# Altium PCB PCB2.PcbDoc (part 6 of 9)
Units mil, origin at the board's own origin, x right, y up, seen from the top; angles counter-clockwise.
Board outline 7580 x 7350 mil, 6 copper layers (Signal 1, Ground 1, 2V5 and 0V6, n2V5 and n0V6, Ground 2, Signal 2), stack 52.268 mil thick; 572 components, 533 nets, 2081 pads, 679 vias.
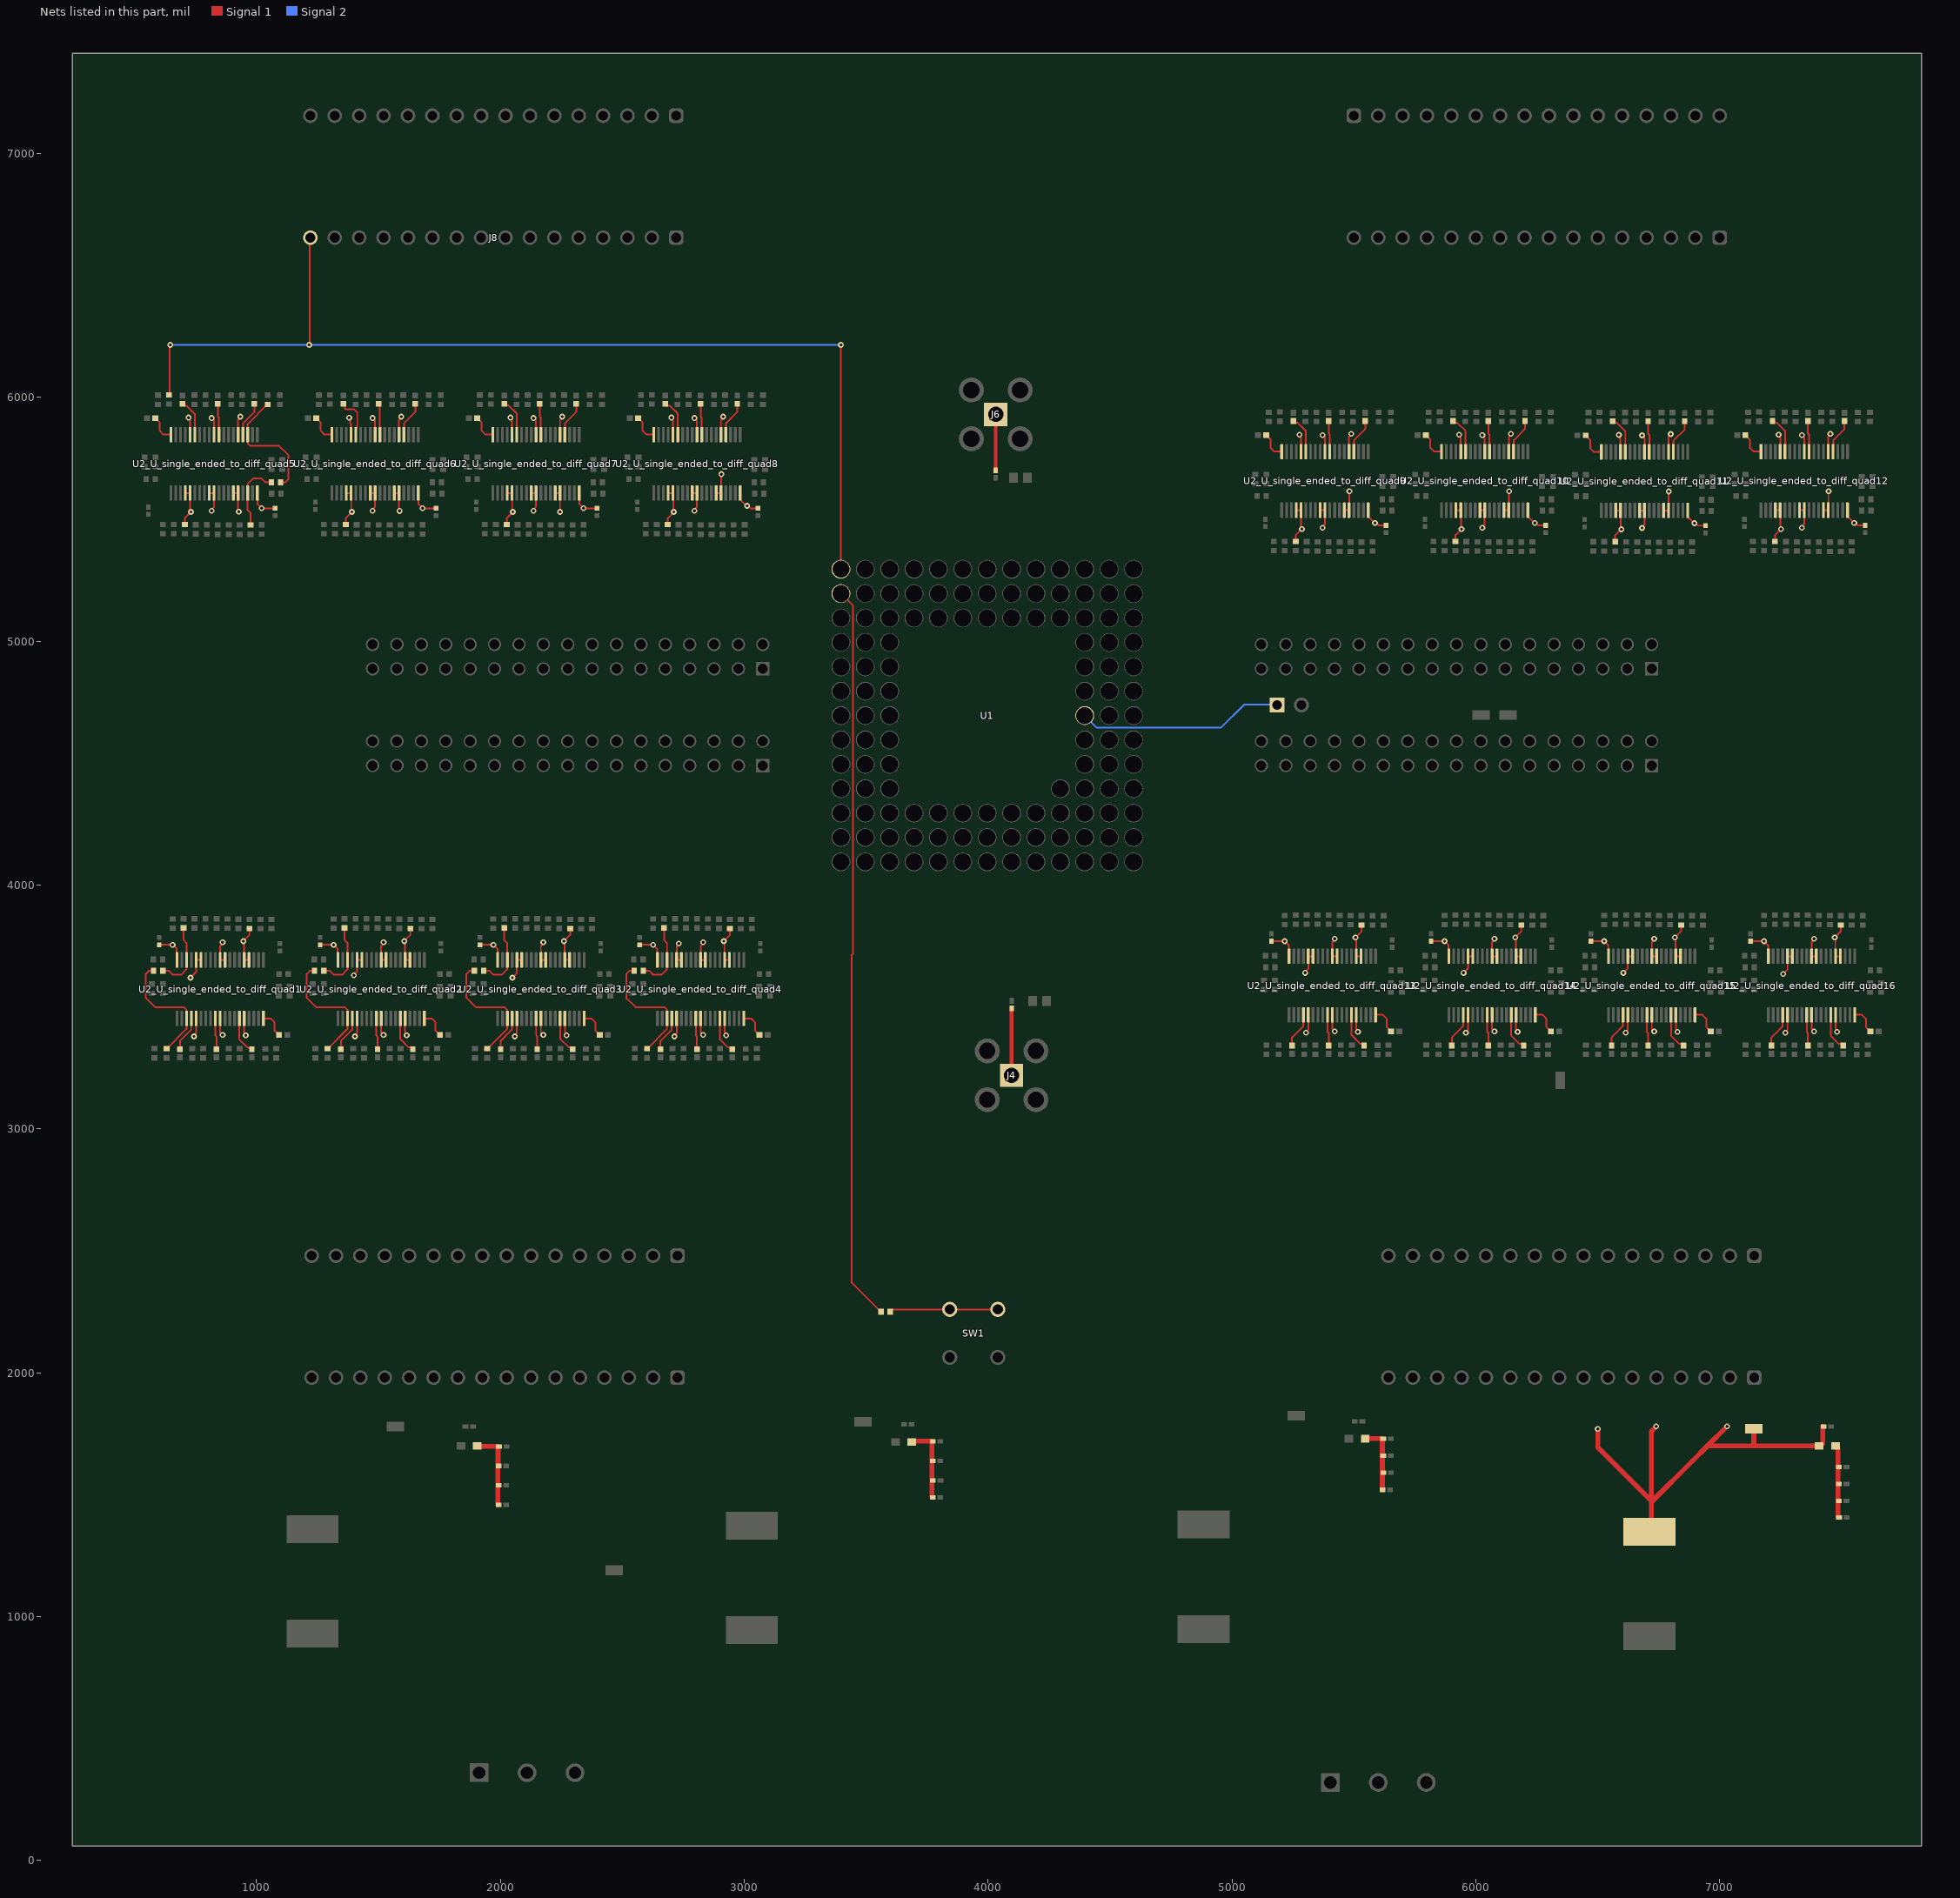
[diagram p10: the nets of this part, all layers, seen from the top]

## Via types
v1: diameter 24, hole 12, Signal 1 to Signal 2, tented both sides, 679 vias

## Nets (pads, with @x,y where several pads share a name; then routed paths per layer and width w, separated by ;. In a path a pad name is that pad's centre, name@x,y a point inside that pad or via, vN(x,y) a via of type N, cw(c..) or ccw(c..) an arc to the next point about the centre after c; other vN are vias at no path point) (continued)
n2V5: C13.2 C29_U_single_ended_to_diff_quad1.1 C29_U_single_ended_to_diff_quad2.1 C29_U_single_ended_to_diff_quad3.1 C29_U_single_ended_to_diff_quad4.1 C29_U_single_ended_to_diff_quad5.1 C29_U_single_ended_to_diff_quad6.1 C29_U_single_ended_to_diff_quad7.1 C29_U_single_ended_to_diff_quad8.1 C29_U_single_ended_to_diff_quad9.1 C29_U_single_ended_to_diff_quad10.1 C29_U_single_ended_to_diff_quad11.1 C29_U_single_ended_to_diff_quad12.1 C29_U_single_ended_to_diff_quad13.1 C29_U_single_ended_to_diff_quad14.1 C29_U_single_ended_to_diff_quad15.1 C29_U_single_ended_to_diff_quad16.1 C30_U_single_ended_to_diff_quad1.1 C30_U_single_ended_to_diff_quad2.1 C30_U_single_ended_to_diff_quad3.1 C30_U_single_ended_to_diff_quad4.1 C30_U_single_ended_to_diff_quad5.1 C30_U_single_ended_to_diff_quad6.1 C30_U_single_ended_to_diff_quad7.1 C30_U_single_ended_to_diff_quad8.1 C30_U_single_ended_to_diff_quad9.1 C30_U_single_ended_to_diff_quad10.1 C30_U_single_ended_to_diff_quad11.1 C30_U_single_ended_to_diff_quad12.1 C30_U_single_ended_to_diff_quad13.1 C30_U_single_ended_to_diff_quad14.1 C30_U_single_ended_to_diff_quad15.1 C30_U_single_ended_to_diff_quad16.1 L3.2 R6.2 TP9.1 U2_U_single_ended_to_diff_quad1.5 U2_U_single_ended_to_diff_quad1.10 U2_U_single_ended_to_diff_quad1.15 U2_U_single_ended_to_diff_quad1.23 U2_U_single_ended_to_diff_quad1.24 U2_U_single_ended_to_diff_quad1.28 U2_U_single_ended_to_diff_quad1.29 U2_U_single_ended_to_diff_quad1.33 U2_U_single_ended_to_diff_quad1.34 U2_U_single_ended_to_diff_quad1.38 U2_U_single_ended_to_diff_quad2.5 U2_U_single_ended_to_diff_quad2.10 U2_U_single_ended_to_diff_quad2.15 U2_U_single_ended_to_diff_quad2.23 U2_U_single_ended_to_diff_quad2.24 U2_U_single_ended_to_diff_quad2.28 U2_U_single_ended_to_diff_quad2.29 U2_U_single_ended_to_diff_quad2.33 U2_U_single_ended_to_diff_quad2.34 U2_U_single_ended_to_diff_quad2.38 U2_U_single_ended_to_diff_quad3.5 U2_U_single_ended_to_diff_quad3.10 U2_U_single_ended_to_diff_quad3.15 U2_U_single_ended_to_diff_quad3.23 U2_U_single_ended_to_diff_quad3.24 U2_U_single_ended_to_diff_quad3.28 U2_U_single_ended_to_diff_quad3.29 U2_U_single_ended_to_diff_quad3.33 U2_U_single_ended_to_diff_quad3.34 U2_U_single_ended_to_diff_quad3.38 U2_U_single_ended_to_diff_quad4.5 U2_U_single_ended_to_diff_quad4.10 U2_U_single_ended_to_diff_quad4.15 U2_U_single_ended_to_diff_quad4.23 U2_U_single_ended_to_diff_quad4.24 U2_U_single_ended_to_diff_quad4.28 U2_U_single_ended_to_diff_quad4.29 U2_U_single_ended_to_diff_quad4.33 U2_U_single_ended_to_diff_quad4.34 U2_U_single_ended_to_diff_quad4.38 U2_U_single_ended_to_diff_quad5.5 U2_U_single_ended_to_diff_quad5.10 U2_U_single_ended_to_diff_quad5.15 U2_U_single_ended_to_diff_quad5.23 U2_U_single_ended_to_diff_quad5.24 U2_U_single_ended_to_diff_quad5.28 U2_U_single_ended_to_diff_quad5.29 U2_U_single_ended_to_diff_quad5.33 U2_U_single_ended_to_diff_quad5.34 U2_U_single_ended_to_diff_quad5.38 U2_U_single_ended_to_diff_quad6.5 U2_U_single_ended_to_diff_quad6.10 U2_U_single_ended_to_diff_quad6.15 U2_U_single_ended_to_diff_quad6.23 U2_U_single_ended_to_diff_quad6.24 U2_U_single_ended_to_diff_quad6.28 U2_U_single_ended_to_diff_quad6.29 U2_U_single_ended_to_diff_quad6.33 U2_U_single_ended_to_diff_quad6.34 U2_U_single_ended_to_diff_quad6.38 U2_U_single_ended_to_diff_quad7.5 U2_U_single_ended_to_diff_quad7.10 U2_U_single_ended_to_diff_quad7.15 U2_U_single_ended_to_diff_quad7.23 U2_U_single_ended_to_diff_quad7.24 U2_U_single_ended_to_diff_quad7.28 U2_U_single_ended_to_diff_quad7.29 U2_U_single_ended_to_diff_quad7.33 U2_U_single_ended_to_diff_quad7.34 U2_U_single_ended_to_diff_quad7.38 U2_U_single_ended_to_diff_quad8.5 U2_U_single_ended_to_diff_quad8.10 U2_U_single_ended_to_diff_quad8.15 U2_U_single_ended_to_diff_quad8.23 U2_U_single_ended_to_diff_quad8.24 U2_U_single_ended_to_diff_quad8.28 U2_U_single_ended_to_diff_quad8.29 U2_U_single_ended_to_diff_quad8.33 U2_U_single_ended_to_diff_quad8.34 U2_U_single_ended_to_diff_quad8.38 U2_U_single_ended_to_diff_quad9.5 U2_U_single_ended_to_diff_quad9.10 U2_U_single_ended_to_diff_quad9.15 U2_U_single_ended_to_diff_quad9.23 U2_U_single_ended_to_diff_quad9.24 U2_U_single_ended_to_diff_quad9.28 U2_U_single_ended_to_diff_quad9.29 U2_U_single_ended_to_diff_quad9.33 U2_U_single_ended_to_diff_quad9.34 U2_U_single_ended_to_diff_quad9.38 U2_U_single_ended_to_diff_quad10.5 U2_U_single_ended_to_diff_quad10.10 U2_U_single_ended_to_diff_quad10.15 U2_U_single_ended_to_diff_quad10.23 U2_U_single_ended_to_diff_quad10.24 U2_U_single_ended_to_diff_quad10.28 U2_U_single_ended_to_diff_quad10.29 U2_U_single_ended_to_diff_quad10.33 U2_U_single_ended_to_diff_quad10.34 U2_U_single_ended_to_diff_quad10.38 U2_U_single_ended_to_diff_quad11.5 U2_U_single_ended_to_diff_quad11.10 U2_U_single_ended_to_diff_quad11.15 U2_U_single_ended_to_diff_quad11.23 U2_U_single_ended_to_diff_quad11.24 U2_U_single_ended_to_diff_quad11.28 U2_U_single_ended_to_diff_quad11.29 U2_U_single_ended_to_diff_quad11.33 U2_U_single_ended_to_diff_quad11.34 U2_U_single_ended_to_diff_quad11.38 U2_U_single_ended_to_diff_quad12.5 U2_U_single_ended_to_diff_quad12.10 U2_U_single_ended_to_diff_quad12.15 U2_U_single_ended_to_diff_quad12.23 U2_U_single_ended_to_diff_quad12.24 U2_U_single_ended_to_diff_quad12.28 U2_U_single_ended_to_diff_quad12.29 U2_U_single_ended_to_diff_quad12.33 U2_U_single_ended_to_diff_quad12.34 U2_U_single_ended_to_diff_quad12.38 U2_U_single_ended_to_diff_quad13.5 U2_U_single_ended_to_diff_quad13.10 U2_U_single_ended_to_diff_quad13.15 U2_U_single_ended_to_diff_quad13.23 U2_U_single_ended_to_diff_quad13.24 U2_U_single_ended_to_diff_quad13.28 U2_U_single_ended_to_diff_quad13.29 U2_U_single_ended_to_diff_quad13.33 U2_U_single_ended_to_diff_quad13.34 U2_U_single_ended_to_diff_quad13.38 U2_U_single_ended_to_diff_quad14.5 U2_U_single_ended_to_diff_quad14.10 U2_U_single_ended_to_diff_quad14.15 U2_U_single_ended_to_diff_quad14.23 U2_U_single_ended_to_diff_quad14.24 U2_U_single_ended_to_diff_quad14.28 U2_U_single_ended_to_diff_quad14.29 U2_U_single_ended_to_diff_quad14.33 U2_U_single_ended_to_diff_quad14.34 U2_U_single_ended_to_diff_quad14.38 U2_U_single_ended_to_diff_quad15.5 U2_U_single_ended_to_diff_quad15.10 U2_U_single_ended_to_diff_quad15.15 U2_U_single_ended_to_diff_quad15.23 U2_U_single_ended_to_diff_quad15.24 U2_U_single_ended_to_diff_quad15.28 U2_U_single_ended_to_diff_quad15.29 U2_U_single_ended_to_diff_quad15.33 U2_U_single_ended_to_diff_quad15.34 U2_U_single_ended_to_diff_quad15.38 U2_U_single_ended_to_diff_quad16.5 U2_U_single_ended_to_diff_quad16.10 U2_U_single_ended_to_diff_quad16.15 U2_U_single_ended_to_diff_quad16.23 U2_U_single_ended_to_diff_quad16.24 U2_U_single_ended_to_diff_quad16.28 U2_U_single_ended_to_diff_quad16.29 U2_U_single_ended_to_diff_quad16.33 U2_U_single_ended_to_diff_quad16.34 U2_U_single_ended_to_diff_quad16.38 | length 12984.6
  Signal 1 w7: C30_U_single_ended_to_diff_quad1.1@601.68,3755.1 601.78,3755 v1(656.68,3755) 673.44,3738.24 673.44,3693.95 U2_U_single_ended_to_diff_quad1.38@674.52,3692.87 ; C29_U_single_ended_to_diff_quad5.1@706.68,5478.9 706.68,5505 v1(731.68,5530) 729.04,5532.65 729.04,5606.35 U2_U_single_ended_to_diff_quad5.24@728.26,5607.13 U2_U_single_ended_to_diff_quad5.23@708.57,5607.13 ; v1(721.68,5916.76) 721.68,5911.89 728.26,5905.31 U2_U_single_ended_to_diff_quad5.15@728.26,5847.28 ; v1(730,3620) 753.26,3643.26 U2_U_single_ended_to_diff_quad1.34@753.26,3692.87 U2_U_single_ended_to_diff_quad1.33@772.94,3692.87 ; v1(744.26,3379.34) 744.26,3382.86 753.26,3391.86 U2_U_single_ended_to_diff_quad1.5@753.26,3452.72 ; U2_U_single_ended_to_diff_quad5.28@807,5607.13 U2_U_single_ended_to_diff_quad5.29@826.68,5607.13 826.68,5549.87 816.68,5539.87 v1(816.68,5535) ; v1(816.68,5915) 826.68,5905 U2_U_single_ended_to_diff_quad5.10@826.68,5847.28 ; U2_U_single_ended_to_diff_quad1.10@851.68,3452.72 851.68,3395 v1(861.68,3385) ; v1(861.68,3765) 861.68,3760.13 851.68,3750.13 U2_U_single_ended_to_diff_quad1.29@851.68,3692.87 U2_U_single_ended_to_diff_quad1.28@871.37,3692.87 ; U2_U_single_ended_to_diff_quad5.33@905.42,5607.13 U2_U_single_ended_to_diff_quad5.34@925.11,5607.13 925.11,5533.89 v1(928,5531) ; U2_U_single_ended_to_diff_quad5.5@925.11,5847.28 925.11,5908.14 934.1,5917.14 v1(934.1,5920.66) ; U2_U_single_ended_to_diff_quad1.15@950.11,3452.72 950.11,3394.68 956.68,3388.11 v1(956.68,3383.24) ; U2_U_single_ended_to_diff_quad1.23@969.79,3692.87 U2_U_single_ended_to_diff_quad1.24@950.11,3692.87 949.33,3693.65 949.33,3767.35 v1(946.68,3770) 971.68,3795 C29_U_single_ended_to_diff_quad1.1@971.68,3821.1 ; U2_U_single_ended_to_diff_quad5.38@1003.85,5607.13 1004.92,5606.05 1004.92,5561.76 v1(1021.68,5545) 1076.59,5545 C30_U_single_ended_to_diff_quad5.1@1076.68,5544.9 ; C30_U_single_ended_to_diff_quad2.1@1261.68,3755.1 1261.78,3755 v1(1316.68,3755) 1333.44,3738.24 1333.44,3693.95 U2_U_single_ended_to_diff_quad2.38@1334.52,3692.87 ; C29_U_single_ended_to_diff_quad6.1@1366.68,5478.9 1366.68,5505 v1(1391.68,5530) 1389.04,5532.65 1389.04,5606.35 U2_U_single_ended_to_diff_quad6.24@1388.26,5607.13 U2_U_single_ended_to_diff_quad6.23@1368.57,5607.13 ; v1(1380.75,5915.83) 1384,5912.57 1384,5894.08 1388.26,5889.83 U2_U_single_ended_to_diff_quad6.15@1388.26,5847.28 ; v1(1400,3630) 1400,3633.18 1413.26,3646.44 U2_U_single_ended_to_diff_quad2.34@1413.26,3692.87 U2_U_single_ended_to_diff_quad2.33@1432.94,3692.87 ; v1(1404.26,3379.34) 1404.26,3382.86 1413.26,3391.86 U2_U_single_ended_to_diff_quad2.5@1413.26,3452.72 ; U2_U_single_ended_to_diff_quad6.28@1467,5607.13 U2_U_single_ended_to_diff_quad6.29@1486.68,5607.13 1486.68,5549.87 1476.68,5539.87 v1(1476.68,5535) ; v1(1476.68,5915) 1486.68,5905 U2_U_single_ended_to_diff_quad6.10@1486.68,5847.28 ; U2_U_single_ended_to_diff_quad2.10@1511.68,3452.72 1511.68,3395 v1(1521.68,3385) ; v1(1521.68,3765) 1521.68,3760.13 1511.68,3750.13 U2_U_single_ended_to_diff_quad2.29@1511.68,3692.87 U2_U_single_ended_to_diff_quad2.28@1531.37,3692.87 ; U2_U_single_ended_to_diff_quad6.33@1565.42,5607.13 U2_U_single_ended_to_diff_quad6.34@1585.11,5607.13 1585.11,5535.89 v1(1587,5534) ; U2_U_single_ended_to_diff_quad6.5@1585.11,5847.28 1585.11,5908.14 1594.1,5917.14 v1(1594.1,5920.66) ; U2_U_single_ended_to_diff_quad2.15@1610.11,3452.72 1610.11,3394.68 1616.68,3388.11 v1(1616.68,3383.24) ; U2_U_single_ended_to_diff_quad2.23@1629.79,3692.87 U2_U_single_ended_to_diff_quad2.24@1610.11,3692.87 1609.33,3693.65 1609.33,3767.35 v1(1606.68,3770) 1631.68,3795 C29_U_single_ended_to_diff_quad2.1@1631.68,3821.1 ; U2_U_single_ended_to_diff_quad6.38@1663.85,5607.13 1664.92,5606.05 1664.92,5561.76 v1(1681.68,5545) 1736.59,5545 C30_U_single_ended_to_diff_quad6.1@1736.68,5544.9 ; C30_U_single_ended_to_diff_quad3.1@1916.68,3755.1 1916.78,3755 v1(1971.68,3755) 1988.44,3738.24 1988.44,3693.95 U2_U_single_ended_to_diff_quad3.38@1989.52,3692.87 ; C29_U_single_ended_to_diff_quad7.1@2026.68,5478.9 2026.68,5505 v1(2051.68,5530) 2049.04,5532.65 2049.04,5606.35 U2_U_single_ended_to_diff_quad7.24@2048.26,5607.13 U2_U_single_ended_to_diff_quad7.23@2028.57,5607.13 ; v1(2041.68,5916.76) 2041.68,5911.89 2048.26,5905.31 U2_U_single_ended_to_diff_quad7.15@2048.26,5847.28 ; v1(2050,3620) 2068.26,3638.26 U2_U_single_ended_to_diff_quad3.34@2068.26,3692.87 U2_U_single_ended_to_diff_quad3.33@2087.94,3692.87 ; v1(2059.26,3379.34) 2059.26,3382.86 2068.26,3391.86 U2_U_single_ended_to_diff_quad3.5@2068.26,3452.72 ; U2_U_single_ended_to_diff_quad7.28@2127,5607.13 U2_U_single_ended_to_diff_quad7.29@2146.68,5607.13 2146.68,5549.87 2136.68,5539.87 v1(2136.68,5535) ; v1(2136.68,5915) 2146.68,5905 U2_U_single_ended_to_diff_quad7.10@2146.68,5847.28 ; U2_U_single_ended_to_diff_quad3.10@2166.68,3452.72 2166.68,3395 v1(2176.68,3385) ; v1(2176.68,3765) 2176.68,3760.13 2166.68,3750.13 U2_U_single_ended_to_diff_quad3.29@2166.68,3692.87 U2_U_single_ended_to_diff_quad3.28@2186.37,3692.87 ; U2_U_single_ended_to_diff_quad7.33@2225.42,5607.13 U2_U_single_ended_to_diff_quad7.34@2245.11,5607.13 2245.11,5530.11 v1(2245,5530) ; U2_U_single_ended_to_diff_quad7.5@2245.11,5847.28 2245.11,5908.14 2254.1,5917.14 v1(2254.1,5920.66) ; U2_U_single_ended_to_diff_quad3.15@2265.11,3452.72 2265.11,3394.68 2271.68,3388.11 v1(2271.68,3383.24) ; U2_U_single_ended_to_diff_quad3.23@2284.79,3692.87 U2_U_single_ended_to_diff_quad3.24@2265.11,3692.87 2264.33,3693.65 2264.33,3767.35 v1(2261.68,3770) 2286.68,3795 C29_U_single_ended_to_diff_quad3.1@2286.68,3821.1 ; U2_U_single_ended_to_diff_quad7.38@2323.85,5607.13 2324.92,5606.05 2324.92,5561.76 v1(2341.68,5545) 2396.59,5545 C30_U_single_ended_to_diff_quad7.1@2396.68,5544.9 ; C30_U_single_ended_to_diff_quad4.1@2571.68,3755.1 2571.78,3755 v1(2626.68,3755) 2643.44,3738.24 2643.44,3693.95 U2_U_single_ended_to_diff_quad4.38@2644.52,3692.87 ; C29_U_single_ended_to_diff_quad8.1@2686.68,5478.9 2686.68,5505 v1(2711.68,5530) 2709.04,5532.65 2709.04,5606.35 U2_U_single_ended_to_diff_quad8.24@2708.26,5607.13 U2_U_single_ended_to_diff_quad8.23@2688.57,5607.13 ; v1(2701.68,5916.76) 2701.68,5911.89 2708.26,5905.31 U2_U_single_ended_to_diff_quad8.15@2708.26,5847.28 ; v1(2714.26,3379.34) 2714.26,3382.86 2723.26,3391.86 U2_U_single_ended_to_diff_quad4.5@2723.26,3452.72 ; v1(2731.68,3760) 2731.68,3755.13 2723.26,3746.7 U2_U_single_ended_to_diff_quad4.34@2723.26,3692.87 U2_U_single_ended_to_diff_quad4.33@2742.94,3692.87 ; U2_U_single_ended_to_diff_quad8.28@2787,5607.13 U2_U_single_ended_to_diff_quad8.29@2806.68,5607.13 2806.68,5549.87 2796.68,5539.87 v1(2796.68,5535) ; v1(2796.68,5915) 2806.68,5905 U2_U_single_ended_to_diff_quad8.10@2806.68,5847.28 ; U2_U_single_ended_to_diff_quad4.10@2821.68,3452.72 2821.68,3395 v1(2831.68,3385) ; v1(2831.68,3765) 2831.68,3760.13 2821.68,3750.13 U2_U_single_ended_to_diff_quad4.29@2821.68,3692.87 U2_U_single_ended_to_diff_quad4.28@2841.37,3692.87 ; U2_U_single_ended_to_diff_quad8.33@2885.42,5607.13 U2_U_single_ended_to_diff_quad8.34@2905.11,5607.13 2905.9,5607.91 2905.9,5684.21 v1(2906.68,5685) ; U2_U_single_ended_to_diff_quad8.5@2905.11,5847.28 2905.11,5908.14 2914.1,5917.14 v1(2914.1,5920.66) ; U2_U_single_ended_to_diff_quad4.15@2920.11,3452.72 2920.11,3394.68 2926.68,3388.11 v1(2926.68,3383.24) ; U2_U_single_ended_to_diff_quad4.23@2939.79,3692.87 U2_U_single_ended_to_diff_quad4.24@2920.11,3692.87 2919.33,3693.65 2919.33,3767.35 v1(2916.68,3770) 2941.68,3795 C29_U_single_ended_to_diff_quad4.1@2941.68,3821.1 ; U2_U_single_ended_to_diff_quad8.38@2983.85,5607.13 2983.85,5581.54 3010.38,5555 3016.01,5555 3026.01,5545 3056.59,5545 C30_U_single_ended_to_diff_quad8.1@3056.68,5544.9 ; C30_U_single_ended_to_diff_quad13.1@5161.68,3770.1 5161.78,3770 v1(5216.68,3770) 5233.44,3753.24 5233.44,3708.95 U2_U_single_ended_to_diff_quad13.38@5234.52,3707.87 ; C29_U_single_ended_to_diff_quad9.1@5261.68,5408.9 5261.68,5435 v1(5286.68,5460) 5284.04,5462.65 5284.04,5536.35 U2_U_single_ended_to_diff_quad9.24@5283.26,5537.13 U2_U_single_ended_to_diff_quad9.23@5263.57,5537.13 ; v1(5276.68,5846.76) 5276.68,5841.89 5283.26,5835.31 U2_U_single_ended_to_diff_quad9.15@5283.26,5777.28 ; v1(5300,3640) 5300,3643.18 5313.26,3656.44 U2_U_single_ended_to_diff_quad13.34@5313.26,3707.87 U2_U_single_ended_to_diff_quad13.33@5332.94,3707.87 ; v1(5304.26,3394.34) 5304.26,3397.86 5313.26,3406.86 U2_U_single_ended_to_diff_quad13.5@5313.26,3467.72 ; U2_U_single_ended_to_diff_quad9.28@5362,5537.13 U2_U_single_ended_to_diff_quad9.29@5381.68,5537.13 5381.68,5479.87 5371.68,5469.87 v1(5371.68,5465) ; v1(5371.68,5845) 5381.68,5835 U2_U_single_ended_to_diff_quad9.10@5381.68,5777.28 ; U2_U_single_ended_to_diff_quad13.10@5411.68,3467.72 5411.68,3410 v1(5421.68,3400) ; v1(5421.68,3780) 5421.68,3775.13 5411.68,3765.13 U2_U_single_ended_to_diff_quad13.29@5411.68,3707.87 U2_U_single_ended_to_diff_quad13.28@5431.37,3707.87 ; U2_U_single_ended_to_diff_quad9.33@5460.42,5537.13 U2_U_single_ended_to_diff_quad9.34@5480.11,5537.13 5480.9,5537.91 5480.9,5614.21 v1(5481.68,5615) ; U2_U_single_ended_to_diff_quad9.5@5480.11,5777.28 5480.11,5838.14 5489.1,5847.14 v1(5489.1,5850.66) ; U2_U_single_ended_to_diff_quad13.15@5510.11,3467.72 5510.11,3409.68 5516.68,3403.11 v1(5516.68,3398.24) ; U2_U_single_ended_to_diff_quad13.23@5529.79,3707.87 U2_U_single_ended_to_diff_quad13.24@5510.11,3707.87 5509.33,3708.65 5509.33,3782.35 v1(5506.68,3785) 5531.68,3810 C29_U_single_ended_to_diff_quad13.1@5531.68,3836.1 ; U2_U_single_ended_to_diff_quad9.38@5558.85,5537.13 5558.85,5511.54 5585.38,5485 5591.01,5485 5601.01,5475 5631.59,5475 C30_U_single_ended_to_diff_quad9.1@5631.68,5474.9 ; C30_U_single_ended_to_diff_quad14.1@5816.68,3770.1 5816.78,3770 v1(5871.68,3770) 5888.44,3753.24 5888.44,3708.95 U2_U_single_ended_to_diff_quad14.38@5889.52,3707.87 ; C29_U_single_ended_to_diff_quad10.1@5916.68,5408.9 5916.68,5435 v1(5941.68,5460) 5939.04,5462.65 5939.04,5536.35 U2_U_single_ended_to_diff_quad10.24@5938.26,5537.13 U2_U_single_ended_to_diff_quad10.23@5918.57,5537.13 ; v1(5931.68,5846.76) 5931.68,5841.89 5938.26,5835.31 U2_U_single_ended_to_diff_quad10.15@5938.26,5777.28 ; v1(5950,3640) 5968.26,3658.26 U2_U_single_ended_to_diff_quad14.34@5968.26,3707.87 U2_U_single_ended_to_diff_quad14.33@5987.94,3707.87 ; v1(5959.26,3394.34) 5959.26,3397.86 5968.26,3406.86 U2_U_single_ended_to_diff_quad14.5@5968.26,3467.72 ; U2_U_single_ended_to_diff_quad10.28@6017,5537.13 U2_U_single_ended_to_diff_quad10.29@6036.68,5537.13 6036.68,5479.87 6026.68,5469.87 v1(6026.68,5465) ; v1(6026.68,5845) 6036.68,5835 U2_U_single_ended_to_diff_quad10.10@6036.68,5777.28 ; U2_U_single_ended_to_diff_quad14.10@6066.68,3467.72 6066.68,3410 v1(6076.68,3400) ; v1(6076.68,3780) 6076.68,3775.13 6066.68,3765.13 U2_U_single_ended_to_diff_quad14.29@6066.68,3707.87 U2_U_single_ended_to_diff_quad14.28@6086.37,3707.87 ; U2_U_single_ended_to_diff_quad10.33@6115.42,5537.13 U2_U_single_ended_to_diff_quad10.34@6135.11,5537.13 6135.9,5537.91 6135.9,5614.21 v1(6136.68,5615) ; U2_U_single_ended_to_diff_quad10.5@6135.11,5777.28 6135.11,5838.14 6144.1,5847.14 v1(6144.1,5850.66) ; U2_U_single_ended_to_diff_quad14.15@6165.11,3467.72 6165.11,3409.68 6171.68,3403.11 v1(6171.68,3398.24) ; U2_U_single_ended_to_diff_quad14.23@6184.79,3707.87 U2_U_single_ended_to_diff_quad14.24@6165.11,3707.87 6164.33,3708.65 6164.33,3782.35 v1(6161.68,3785) 6186.68,3810 C29_U_single_ended_to_diff_quad14.1@6186.68,3836.1 ; U2_U_single_ended_to_diff_quad10.38@6213.85,5537.13 6213.85,5511.54 6240.38,5485 6246.01,5485 6256.01,5475 6286.59,5475 C30_U_single_ended_to_diff_quad10.1@6286.68,5474.9 ; C30_U_single_ended_to_diff_quad15.1@6471.68,3770.1 6471.78,3770 v1(6526.68,3770) 6543.44,3753.24 6543.44,3708.95 U2_U_single_ended_to_diff_quad15.38@6544.52,3707.87 ; C29_U_single_ended_to_diff_quad11.1@6571.68,5407.8 6571.68,5433.9 v1(6596.68,5458.9) 6594.04,5461.54 6594.04,5535.24 U2_U_single_ended_to_diff_quad11.24@6593.26,5536.02 U2_U_single_ended_to_diff_quad11.23@6573.57,5536.02 ; v1(6586.68,5845.66) 6586.68,5840.79 6593.26,5834.21 U2_U_single_ended_to_diff_quad11.15@6593.26,5776.18 ; v1(6605,3640) 6623.26,3658.26 U2_U_single_ended_to_diff_quad15.34@6623.26,3707.87 U2_U_single_ended_to_diff_quad15.33@6642.94,3707.87 ; v1(6614.26,3394.34) 6614.26,3397.86 6623.26,3406.86 U2_U_single_ended_to_diff_quad15.5@6623.26,3467.72 ; U2_U_single_ended_to_diff_quad11.28@6672,5536.02 U2_U_single_ended_to_diff_quad11.29@6691.68,5536.02 6691.68,5478.77 6681.68,5468.77 v1(6681.68,5463.9) ; v1(6681.68,5843.9) 6691.68,5833.9 U2_U_single_ended_to_diff_quad11.10@6691.68,5776.18 ; U2_U_single_ended_to_diff_quad15.10@6721.68,3467.72 6721.68,3410 v1(6731.68,3400) ; v1(6731.68,3780) 6731.68,3775.13 6721.68,3765.13 U2_U_single_ended_to_diff_quad15.29@6721.68,3707.87 U2_U_single_ended_to_diff_quad15.28@6741.37,3707.87 ; U2_U_single_ended_to_diff_quad11.33@6770.42,5536.02 U2_U_single_ended_to_diff_quad11.34@6790.11,5536.02 6790.9,5536.81 6790.9,5613.11 v1(6791.68,5613.9) ; U2_U_single_ended_to_diff_quad11.5@6790.11,5776.18 6790.11,5837.04 6799.1,5846.04 v1(6799.1,5849.56) ; U2_U_single_ended_to_diff_quad15.15@6820.11,3467.72 6820.11,3409.68 6826.68,3403.11 v1(6826.68,3398.24) ; U2_U_single_ended_to_diff_quad15.23@6839.79,3707.87 U2_U_single_ended_to_diff_quad15.24@6820.11,3707.87 6819.33,3708.65 6819.33,3782.35 v1(6816.68,3785) 6841.68,3810 C29_U_single_ended_to_diff_quad15.1@6841.68,3836.1 ; U2_U_single_ended_to_diff_quad11.38@6868.85,5536.02 6868.85,5510.43 6895.38,5483.9 6901.01,5483.9 6911.01,5473.9 6941.59,5473.9 C30_U_single_ended_to_diff_quad11.1@6941.68,5473.8 ; C30_U_single_ended_to_diff_quad16.1@7126.68,3770.1 7126.78,3770 v1(7181.68,3770) 7198.44,3753.24 7198.44,3708.95 U2_U_single_ended_to_diff_quad16.38@7199.52,3707.87 ; C29_U_single_ended_to_diff_quad12.1@7226.68,5408.9 7226.68,5435 v1(7251.68,5460) 7249.04,5462.65 7249.04,5536.35 U2_U_single_ended_to_diff_quad12.24@7248.26,5537.13 U2_U_single_ended_to_diff_quad12.23@7228.57,5537.13 ; v1(7241.68,5846.76) 7241.68,5841.89 7248.26,5835.31 U2_U_single_ended_to_diff_quad12.15@7248.26,5777.28 ; v1(7260,3635) 7278.26,3653.26 U2_U_single_ended_to_diff_quad16.34@7278.26,3707.87 U2_U_single_ended_to_diff_quad16.33@7297.94,3707.87 ; v1(7269.26,3394.34) 7269.26,3397.86 7278.26,3406.86 U2_U_single_ended_to_diff_quad16.5@7278.26,3467.72 ; U2_U_single_ended_to_diff_quad12.28@7327,5537.13 U2_U_single_ended_to_diff_quad12.29@7346.68,5537.13 7346.68,5479.87 7336.68,5469.87 v1(7336.68,5465) ; v1(7336.68,5845) 7346.68,5835 U2_U_single_ended_to_diff_quad12.10@7346.68,5777.28 ; U2_U_single_ended_to_diff_quad16.10@7376.68,3467.72 7376.68,3410 v1(7386.68,3400) ; v1(7386.68,3780) 7386.68,3775.13 7376.68,3765.13 U2_U_single_ended_to_diff_quad16.29@7376.68,3707.87 U2_U_single_ended_to_diff_quad16.28@7396.37,3707.87 ; U2_U_single_ended_to_diff_quad12.33@7425.42,5537.13 U2_U_single_ended_to_diff_quad12.34@7445.11,5537.13 7445.9,5537.91 7445.9,5614.21 v1(7446.68,5615) ; U2_U_single_ended_to_diff_quad12.5@7445.11,5777.28 7445.11,5838.14 7454.1,5847.14 v1(7454.1,5850.66) ; U2_U_single_ended_to_diff_quad16.15@7475.11,3467.72 7475.11,3409.68 7481.68,3403.11 v1(7481.68,3398.24) ; U2_U_single_ended_to_diff_quad16.23@7494.79,3707.87 U2_U_single_ended_to_diff_quad16.24@7475.11,3707.87 7474.33,3708.65 7474.33,3782.35 v1(7471.68,3785) 7496.68,3810 C29_U_single_ended_to_diff_quad16.1@7496.68,3836.1 ; U2_U_single_ended_to_diff_quad12.38@7523.85,5537.13 7523.85,5511.54 7550.38,5485 7556.01,5485 7566.01,5475 7596.59,5475 C30_U_single_ended_to_diff_quad12.1@7596.68,5474.9